# Altium PCB 11BRANMB10H2_20170927.pcbdoc (part 7 of 11)
Units mm, origin at the board's own origin, x right, y up, seen from the top; angles counter-clockwise.
Board outline 91.65 x 48.25 mm, 6 copper layers (TOP, GND1, Singal, POWER, GND2, BOTTOM), stack 0.8 mm thick; 370 components, 289 nets, 1421 pads, 980 vias.
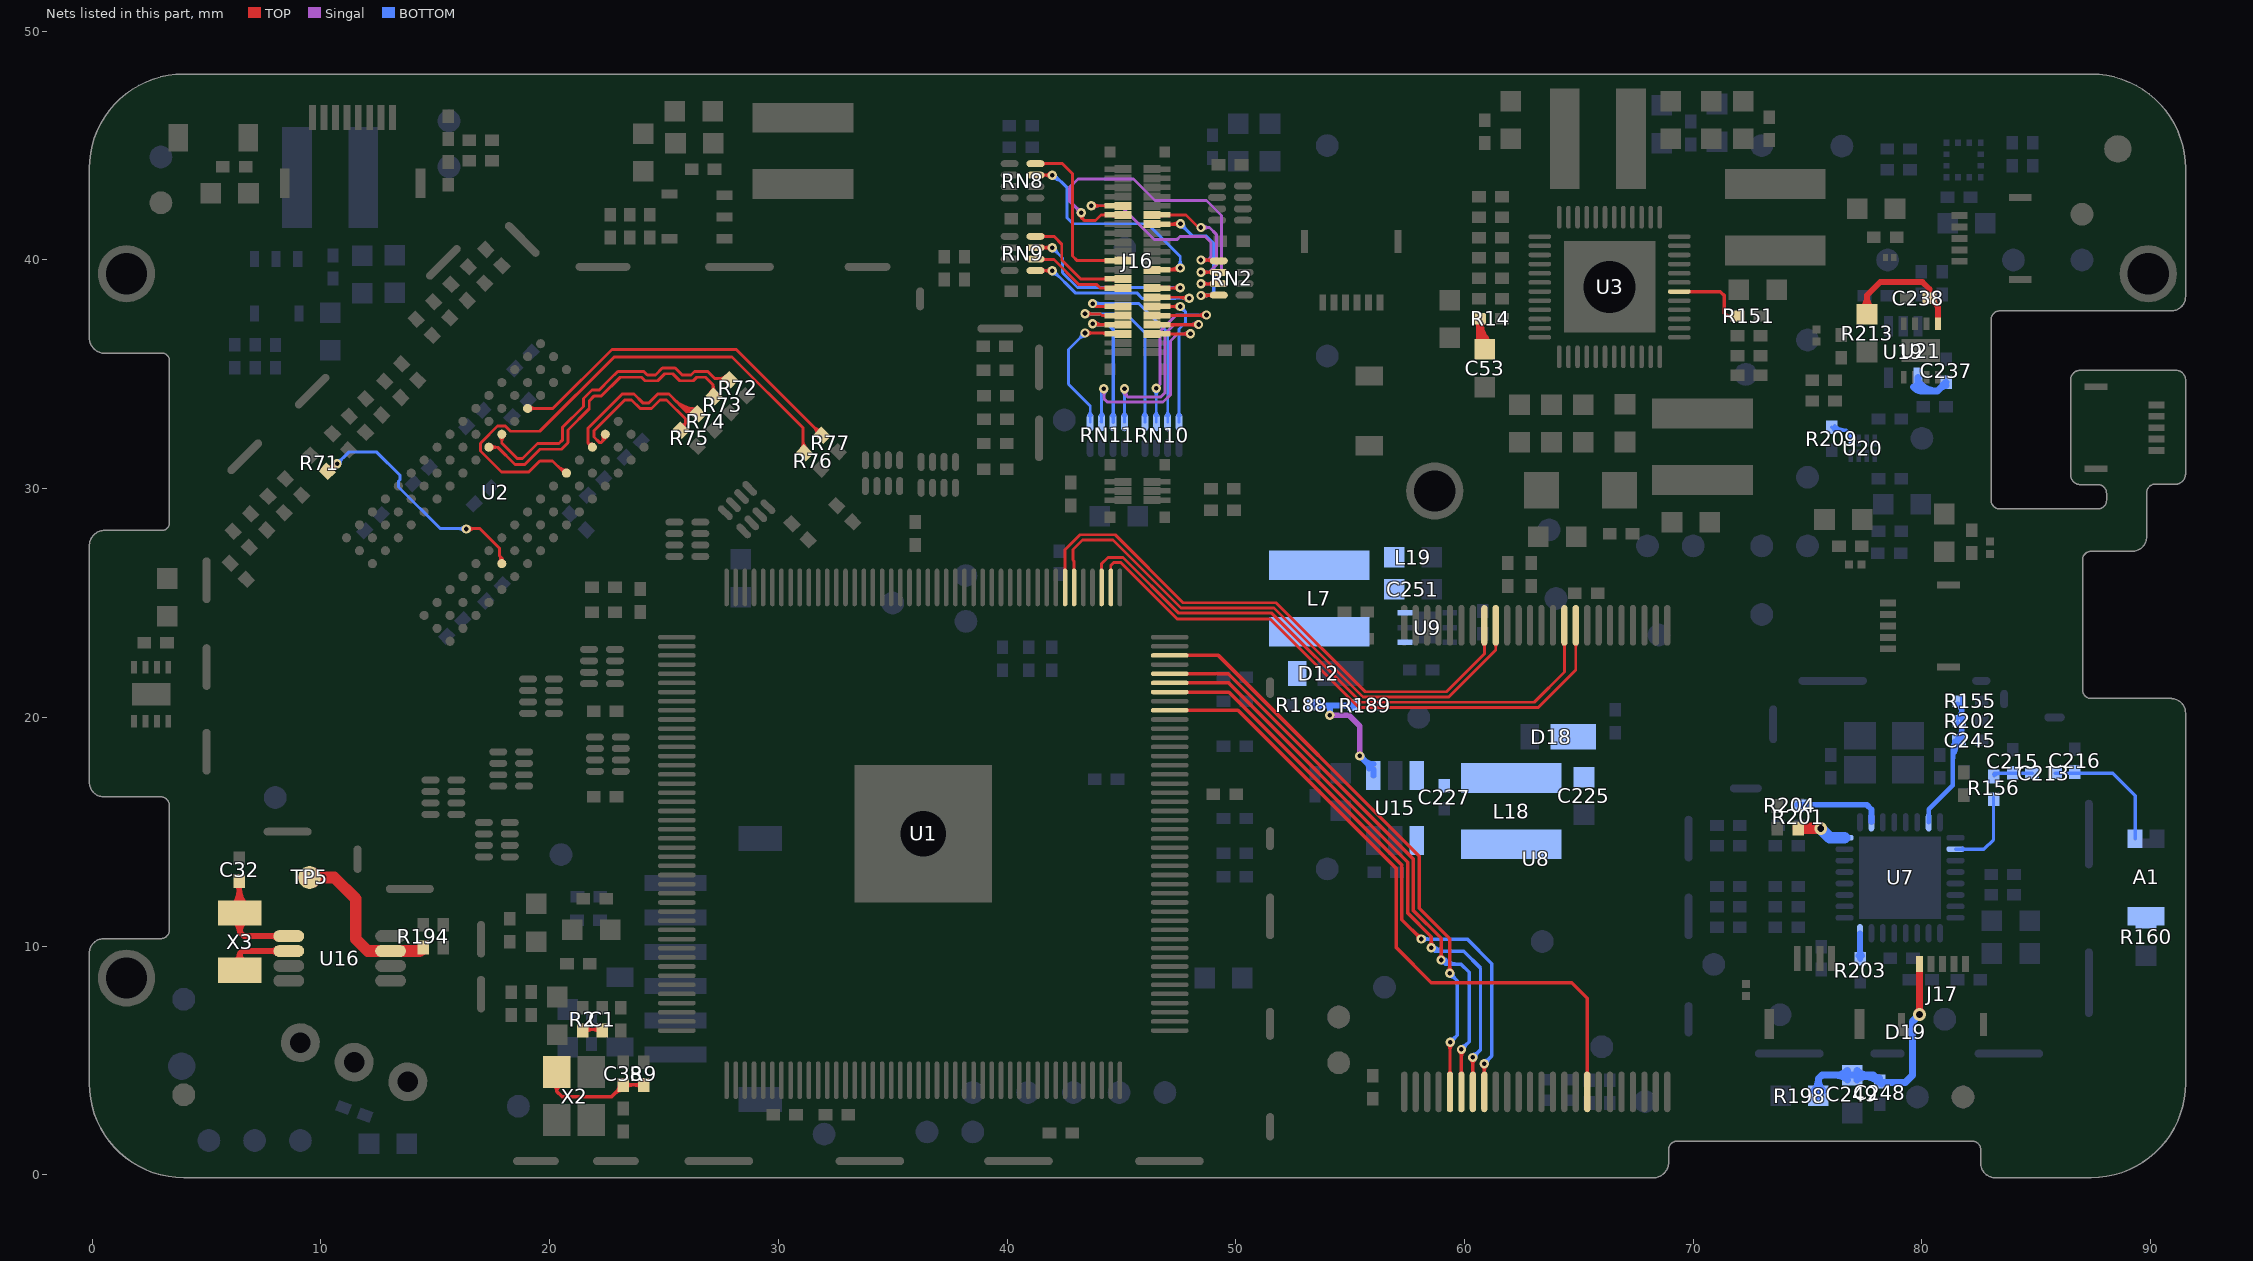
[diagram p11: the nets of this part, all layers, seen from the top]

## Via types
v1: diameter 0.406, hole 0.203, TOP to BOTTOM, tented both sides, 450 vias
v2: diameter 0.457, hole 0.254, TOP to BOTTOM, tented both sides, 256 vias
v3: diameter 0.559, hole 0.305, TOP to BOTTOM, tented both sides, 184 vias
v4: diameter 0.762, hole 0.457, TOP to BOTTOM, tented both sides, 69 vias
v5: diameter 0.61, hole 0.33, TOP to BOTTOM, tented both sides, 11 vias
v6: diameter 0.5, hole 0.2, TOP to BOTTOM, 9 vias
v7: diameter 0.508, hole 0.254, TOP to BOTTOM, tented both sides, 1 vias

## Nets (pads, with @x,y where several pads share a name; then routed paths per layer and width w, separated by ;. In a path a pad name is that pad's centre, name@x,y a point inside that pad or via, vN(x,y) a via of type N, cw(c..) or ccw(c..) an arc to the next point about the centre after c; other vN are vias at no path point) (continued)
N16977238: J16.23 RN8.7 | length 17.3
  TOP w0.127: RN8.7@41.243,43.709 v1(41.977,43.709) v1@42.079,43.709 ; J16.23@46.335,39.57 J16.23@46.925,39.57 47.495,39.57 v1(47.574,39.649) ; J16.23@47.058,39.619 ccw(c47.133,39.749) 47.172,39.604 ; J16.23@47.079,39.542 cw(c47.185,39.481) 47.153,39.599 ; 41.64,43.709 ccw(c41.64,44.047) 41.878,43.808 cw(c41.64,44.047) 41.64,43.709 ; 41.64,43.709 cw(c41.64,43.372) 41.878,43.611 ccw(c41.64,43.372) 41.64,43.709 ; 41.699,43.709 ccw(c41.699,43.495) 41.547,43.646 cw(c41.699,43.495) 41.699,43.709 ; 41.699,43.709 cw(c41.699,43.924) 41.547,43.772 ccw(c41.699,43.924) 41.699,43.709 ; J16.23@46.684,39.57 ccw(c46.684,39.706) 46.78,39.61 cw(c46.684,39.706) J16.23@46.684,39.57 ; J16.23@46.684,39.57 cw(c46.684,39.434) 46.78,39.53 ccw(c46.684,39.434) J16.23@46.684,39.57 ; 47.166,39.57 ccw(c47.166,39.434) 47.07,39.53 cw(c47.166,39.434) 47.166,39.57 ; 47.166,39.57 cw(c47.166,39.706) 47.07,39.61 ccw(c47.166,39.706) 47.166,39.57 ; J16.23@47.046,39.57 ccw(c47.046,40.178) 47.475,39.748 cw(c47.046,40.178) J16.23@47.046,39.57 ; 47.352,39.57 ccw(c47.352,39.871) 47.565,39.658 cw(c47.352,39.871) 47.352,39.57
  BOTTOM w0.127: v1@41.989,43.714 ccw(c42.337,43.867) 42.239,43.5 ; v1@42.079,43.709 42.612,43.176 42.612,41.859 42.885,41.586 46.145,41.586 47.574,40.157 v1(47.574,39.649) ; 47.574,39.986 ccw(c47.911,39.986) 47.673,39.748 cw(c47.911,39.986) 47.574,39.986 ; 47.574,39.986 cw(c47.237,39.986) 47.475,39.748 ccw(c47.237,39.986) 47.574,39.986 ; v1@41.977,43.57 cw(c41.977,42.987) 42.389,43.399 ccw(c41.977,42.987) v1@41.977,43.57 ; v1@41.977,43.697 cw(c41.977,43.421) 42.172,43.616 ccw(c41.977,43.421) v1@41.977,43.697
N16977239: J16.22 RN8.8 | length 9.2
  TOP w0.127: RN8.8@41.243,44.209 42.43,44.209 42.866,43.773 42.866,40.171 43.067,39.97 J16.22@44.475,39.97 J16.22@45.065,39.97 ; 41.699,44.209 ccw(c41.699,43.995) 41.547,44.147 cw(c41.699,43.995) 41.699,44.209 ; 41.699,44.209 cw(c41.699,44.424) 41.547,44.272 ccw(c41.699,44.424) 41.699,44.209 ; 44.234,39.97 ccw(c44.234,40.106) 44.33,40.01 cw(c44.234,40.106) 44.234,39.97 ; 44.234,39.97 cw(c44.234,39.834) 44.33,39.93 ccw(c44.234,39.834) 44.234,39.97 ; J16.22@44.716,39.97 ccw(c44.716,39.834) 44.62,39.93 cw(c44.716,39.834) J16.22@44.716,39.97 ; J16.22@44.716,39.97 cw(c44.716,40.106) 44.62,40.01 ccw(c44.716,40.106) J16.22@44.716,39.97
N16977240: J16.29 RN9.5 | length 14.9
  TOP w0.127: RN9.5@41.243,39.534 v1(41.977,39.534) v1@42.012,39.534 ; J16.29@46.335,38.37 J16.29@46.925,38.37 v1@47.92,38.37 ; 41.64,39.534 ccw(c41.64,39.872) 41.878,39.633 cw(c41.64,39.872) 41.64,39.534 ; 41.64,39.534 cw(c41.64,39.197) 41.878,39.436 ccw(c41.64,39.197) 41.64,39.534 ; 41.699,39.534 ccw(c41.699,39.32) 41.547,39.471 cw(c41.699,39.32) 41.699,39.534 ; 41.699,39.534 cw(c41.699,39.749) 41.547,39.597 ccw(c41.699,39.749) 41.699,39.534 ; J16.29@46.684,38.37 ccw(c46.684,38.506) 46.78,38.41 cw(c46.684,38.506) J16.29@46.684,38.37 ; J16.29@46.684,38.37 cw(c46.684,38.234) 46.78,38.33 ccw(c46.684,38.234) J16.29@46.684,38.37 ; 47.166,38.37 ccw(c47.166,38.234) 47.07,38.33 cw(c47.166,38.234) 47.166,38.37 ; 47.166,38.37 cw(c47.166,38.506) 47.07,38.41 ccw(c47.166,38.506) 47.166,38.37 ; 47.515,38.37 cw(c47.515,37.869) 47.869,38.223 ccw(c47.515,37.869) 47.515,38.37 ; 47.746,38.37 ccw(c47.746,38.543) 47.869,38.421 cw(c47.746,38.543) 47.746,38.37
  BOTTOM w0.127: v1@41.989,39.538 ccw(c42.272,39.62) 42.196,39.336 ; v1@42.018,39.534 42.012,39.534 42.983,38.563 45.669,38.563 45.91,38.322 47.371,38.322 47.383,38.335 47.955,38.335 v1(47.968,38.322) ; v1@41.977,39.395 cw(c41.977,38.974) 42.275,39.271 ccw(c41.977,38.974) v1@41.977,39.395 ; v1@42.117,39.534 ccw(c42.37,39.534) 42.191,39.355 cw(c42.37,39.534) v1@42.117,39.534 ; 47.6,38.335 cw(c47.6,37.954) 47.869,38.223 ccw(c47.6,37.954) 47.6,38.335 ; 47.661,38.335 ccw(c47.661,38.629) 47.869,38.421 cw(c47.661,38.629) 47.661,38.335
N16977241: J16.28 RN9.6 | length 5.9
  TOP w0.127: RN9.6@41.243,40.034 41.259,40.019 42.049,40.019 43.148,38.919 43.924,38.919 44.073,38.77 J16.28@44.475,38.77 J16.28@45.065,38.77 ; 44.234,38.77 ccw(c44.234,38.906) 44.33,38.81 cw(c44.234,38.906) 44.234,38.77 ; 44.234,38.77 cw(c44.234,38.634) 44.33,38.73 ccw(c44.234,38.634) 44.234,38.77 ; J16.28@44.716,38.77 ccw(c44.716,38.634) 44.62,38.73 cw(c44.716,38.634) J16.28@44.716,38.77 ; J16.28@44.716,38.77 cw(c44.716,38.906) 44.62,38.81 ccw(c44.716,38.906) J16.28@44.716,38.77 ; RN9.6@41.547,39.972 cw(c41.66,39.858) 41.66,40.019 ccw(c41.66,39.858) RN9.6@41.547,39.972 ; RN9.6@41.547,40.097 ccw(c41.737,40.288) 41.737,40.019 cw(c41.737,40.288) RN9.6@41.547,40.097
N16977242: J16.27 RN9.7 | length 14.7
  TOP w0.127: RN9.7@41.243,40.534 41.977,40.534 v1@42.02,40.534 ; RN9.7@41.538,40.605 ccw(c41.681,40.792) 41.742,40.564 ; J16.27@46.335,38.77 J16.27@46.925,38.77 v1@47.559,38.77 ; 41.699,40.534 ccw(c41.699,40.32) 41.547,40.471 cw(c41.699,40.32) 41.699,40.534 ; 41.699,40.534 cw(c41.699,40.749) 41.547,40.597 ccw(c41.699,40.749) 41.699,40.534 ; J16.27@46.684,38.77 ccw(c46.684,38.906) 46.78,38.81 cw(c46.684,38.906) J16.27@46.684,38.77 ; J16.27@46.684,38.77 cw(c46.684,38.634) 46.78,38.73 ccw(c46.684,38.634) J16.27@46.684,38.77 ; 47.166,38.77 ccw(c47.166,38.634) 47.07,38.73 cw(c47.166,38.634) 47.166,38.77 ; 47.166,38.77 cw(c47.166,38.906) 47.07,38.81 ccw(c47.166,38.906) 47.166,38.77 ; RN9.7@41.63,40.534 ccw(c41.63,40.885) 41.878,40.637 cw(c41.63,40.885) RN9.7@41.63,40.534 ; 41.65,40.534 cw(c41.65,40.211) 41.878,40.44 ccw(c41.65,40.211) 41.65,40.534 ; 47.199,38.77 ccw(c47.199,39.161) 47.475,38.884 cw(c47.199,39.161) 47.199,38.77 ; 47.275,38.77 cw(c47.275,38.486) 47.475,38.687 ccw(c47.275,38.486) 47.275,38.77
  BOTTOM w0.127: v1(41.977,40.538) 42.43,40.085 42.43,39.445 43.084,38.792 47.568,38.792 v1(47.574,38.786) ; 42.216,40.3 ccw(c41.977,40.061) 41.977,40.399 cw(c41.977,40.061) 42.216,40.3 ; 42.216,40.3 cw(c42.454,40.538) 42.117,40.538 ccw(c42.454,40.538) 42.216,40.3 ; 47.222,38.792 cw(c47.222,38.433) 47.475,38.687 ccw(c47.222,38.433) 47.222,38.792 ; 47.252,38.792 ccw(c47.252,39.108) 47.475,38.884 cw(c47.252,39.108) 47.252,38.792
N16977243: J16.26 RN9.8 | length 6.5
  TOP w0.127: RN9.8@41.243,41.034 42.049,41.034 42.392,40.691 42.392,39.998 43.22,39.17 J16.26@44.475,39.17 J16.26@45.065,39.17 ; 41.699,41.034 ccw(c41.699,40.82) 41.547,40.972 cw(c41.699,40.82) 41.699,41.034 ; 41.699,41.034 cw(c41.699,41.249) 41.547,41.097 ccw(c41.699,41.249) 41.699,41.034 ; 44.234,39.17 ccw(c44.234,39.306) 44.33,39.21 cw(c44.234,39.306) 44.234,39.17 ; 44.234,39.17 cw(c44.234,39.034) 44.33,39.13 ccw(c44.234,39.034) 44.234,39.17 ; J16.26@44.716,39.17 ccw(c44.716,39.034) 44.62,39.13 cw(c44.716,39.034) J16.26@44.716,39.17 ; J16.26@44.716,39.17 cw(c44.716,39.306) 44.62,39.21 ccw(c44.716,39.306) J16.26@44.716,39.17
N16977551: J16.34 RN10.5 | length 12.2
  TOP w0.127: v1(43.409,37.643) 44.073,37.643 44.145,37.57 J16.34@44.475,37.57 J16.34@45.065,37.57 ; 43.746,37.643 ccw(c43.746,37.305) 43.507,37.544 cw(c43.746,37.305) 43.746,37.643 ; 43.746,37.643 cw(c43.746,37.98) 43.507,37.741 ccw(c43.746,37.98) 43.746,37.643 ; 44.234,37.57 ccw(c44.234,37.706) 44.33,37.61 cw(c44.234,37.706) 44.234,37.57 ; 44.234,37.57 cw(c44.234,37.434) 44.33,37.53 ccw(c44.234,37.434) 44.234,37.57 ; J16.34@44.716,37.57 ccw(c44.716,37.434) 44.62,37.53 cw(c44.716,37.434) J16.34@44.716,37.57 ; J16.34@44.716,37.57 cw(c44.716,37.706) 44.62,37.61 ccw(c44.716,37.706) J16.34@44.716,37.57
  BOTTOM w0.127: v1(43.409,37.643) 45.211,37.643 46.024,36.83 RN10.5@46.024,32.904 ; 43.746,37.643 ccw(c43.746,37.305) 43.507,37.544 cw(c43.746,37.305) 43.746,37.643 ; 43.746,37.643 cw(c43.746,37.98) 43.507,37.741 ccw(c43.746,37.98) 43.746,37.643 ; 46.024,33.36 ccw(c46.239,33.36) 46.087,33.208 cw(c46.239,33.36) 46.024,33.36 ; 46.024,33.36 cw(c45.809,33.36) 45.961,33.208 ccw(c45.809,33.36) 46.024,33.36
N16977552: J16.33 RN10.6 | length 13.4
  TOP w0.127: J16.33@46.335,37.57 J16.33@46.925,37.57 v1@48.695,37.57 ; J16.33@46.684,37.57 ccw(c46.684,37.706) 46.78,37.61 cw(c46.684,37.706) J16.33@46.684,37.57 ; J16.33@46.684,37.57 cw(c46.684,37.434) 46.78,37.53 ccw(c46.684,37.434) J16.33@46.684,37.57 ; 47.166,37.57 ccw(c47.166,37.434) 47.07,37.53 cw(c47.166,37.434) 47.166,37.57 ; 47.166,37.57 cw(c47.166,37.706) 47.07,37.61 ccw(c47.166,37.706) 47.166,37.57 ; 48.327,37.57 ccw(c48.327,37.982) 48.618,37.691 cw(c48.327,37.982) 48.327,37.57 ; 48.433,37.57 cw(c48.433,37.307) 48.618,37.493 ccw(c48.433,37.307) 48.433,37.57
  Singal w0.127: v1(46.52,34.385) 46.685,34.55 46.685,36.881 47.396,37.592 v1(48.717,37.592) ; 48.38,37.592 ccw(c48.38,37.929) 48.618,37.691 cw(c48.38,37.929) 48.38,37.592 ; 48.38,37.592 cw(c48.38,37.255) 48.618,37.493 ccw(c48.38,37.255) 48.38,37.592
  BOTTOM w0.127: v1(46.52,34.385) 46.524,34.381 RN10.6@46.524,32.904 ; 46.524,33.36 ccw(c46.739,33.36) 46.587,33.208 cw(c46.739,33.36) 46.524,33.36 ; 46.524,33.36 cw(c46.309,33.36) 46.461,33.208 ccw(c46.309,33.36) 46.524,33.36 ; v1@46.421,34.286 cw(c46.173,34.038) 46.524,34.038 ccw(c46.173,34.038) v1@46.421,34.286 ; 46.524,34.058 cw(c46.847,34.058) 46.619,34.286 ccw(c46.847,34.058) 46.524,34.058
N16977553: J16.32 RN10.7 | length 11.7
  TOP w0.127: v1(43.739,38.093) 43.862,37.97 J16.32@44.475,37.97 J16.32@45.065,37.97 ; 44.234,37.97 ccw(c44.234,38.106) 44.33,38.01 cw(c44.234,38.106) 44.234,37.97 ; 44.234,37.97 cw(c44.234,37.834) 44.33,37.93 ccw(c44.234,37.834) 44.234,37.97 ; J16.32@44.716,37.97 ccw(c44.716,37.834) 44.62,37.93 cw(c44.716,37.834) J16.32@44.716,37.97 ; J16.32@44.716,37.97 cw(c44.716,38.106) 44.62,38.01 ccw(c44.716,38.106) J16.32@44.716,37.97
  BOTTOM w0.127: v1(43.739,38.093) 45.758,38.093 47.024,36.827 RN10.7@47.024,32.904 ; 44.076,38.093 ccw(c44.076,37.756) 43.838,37.995 cw(c44.076,37.756) 44.076,38.093 ; 44.076,38.093 cw(c44.076,38.431) 43.838,38.192 ccw(c44.076,38.431) 44.076,38.093 ; 47.024,33.36 ccw(c47.239,33.36) 47.087,33.208 cw(c47.239,33.36) 47.024,33.36 ; 47.024,33.36 cw(c46.809,33.36) 46.961,33.208 ccw(c46.809,33.36) 47.024,33.36
N16977554: J16.31 RN10.8 | length 12.2
  TOP w0.127: J16.31@46.335,37.97 46.339,37.966 46.925,37.966 v1@47.536,37.966 ; J16.31@46.925,37.97 v1@47.532,37.97 ; J16.31@47.07,37.93 cw(c47.158,37.842) 47.158,37.966 ccw(c47.158,37.842) J16.31@47.07,37.93 ; J16.31@47.07,37.93 cw(c47.166,37.834) 47.166,37.97 ; J16.31@47.07,37.93 cw(c47.166,37.834) 47.166,37.97 ; J16.31@47.07,38.01 ccw(c47.175,38.115) 47.175,37.966 cw(c47.175,38.115) J16.31@47.07,38.01 ; J16.31@47.07,38.01 ccw(c47.166,38.106) 47.166,37.97 ; J16.31@47.07,38.01 ccw(c47.166,38.106) 47.166,37.97 ; 47.237,37.966 ccw(c47.237,38.304) v1@47.475,38.065 ; 47.237,37.966 cw(c47.237,37.629) v1@47.475,37.868 ; 47.237,37.966 ccw(c47.237,38.304) v1@47.475,38.065 ; 47.237,37.966 cw(c47.237,37.629) v1@47.475,37.868 ; v1@47.475,37.868 ccw(c47.228,37.62) 47.228,37.97 cw(c47.228,37.62) v1@47.475,37.868 ; v1@47.475,38.065 cw(c47.246,38.295) 47.246,37.97 ccw(c47.246,38.295) v1@47.475,38.065 ; J16.31@46.675,37.966 ccw(c46.675,38.115) 46.78,38.01 cw(c46.675,38.115) J16.31@46.675,37.966 ; J16.31@46.692,37.966 cw(c46.692,37.842) 46.78,37.93 ccw(c46.692,37.842) J16.31@46.692,37.966
  BOTTOM w0.127: RN10.8@47.524,32.904 47.524,36.983 47.803,37.262 47.803,37.738 ; v1(47.574,37.966) 47.803,37.738 ; 47.524,33.36 ccw(c47.739,33.36) 47.587,33.208 cw(c47.739,33.36) 47.524,33.36 ; 47.524,33.36 cw(c47.309,33.36) 47.461,33.208 ccw(c47.309,33.36) 47.524,33.36 ; 47.803,37.738 ccw(c47.588,37.523) 47.578,37.827 cw(c47.588,37.523) 47.803,37.738 ; 47.803,37.738 cw(c48.018,37.953) 47.714,37.962 ccw(c48.018,37.953) 47.803,37.738
N16977555: J16.38 RN11.5 | length 10.9
  TOP w0.127: v1(43.409,36.804) 44.475,36.804 45.031,36.804 J16.38@45.065,36.77 J16.38@44.475,36.77 ; 43.746,36.804 ccw(c43.746,36.467) 43.507,36.706 cw(c43.746,36.467) 43.746,36.804 ; 43.746,36.804 cw(c43.746,37.142) 43.507,36.903 ccw(c43.746,37.142) 43.746,36.804 ; J16.38@44.62,36.73 cw(c44.799,36.551) 44.799,36.804 ccw(c44.799,36.551) J16.38@44.62,36.73 ; J16.38@44.62,36.73 cw(c44.716,36.634) J16.38@44.716,36.77 ; J16.38@44.62,36.73 cw(c44.716,36.634) J16.38@44.716,36.77 ; J16.38@44.716,36.77 cw(c44.716,36.906) 44.62,36.81 ccw(c44.716,36.906) J16.38@44.716,36.77 ; 44.151,36.804 cw(c44.151,36.551) 44.33,36.73 ccw(c44.151,36.551) 44.151,36.804
  BOTTOM w0.127: v1(43.409,36.804) 42.684,36.08 42.684,34.569 43.636,33.617 RN11.5@43.636,32.904 ; 43.17,36.566 ccw(c42.932,36.804) 43.269,36.804 cw(c42.932,36.804) 43.17,36.566 ; 43.17,36.566 cw(c43.409,36.327) 43.409,36.665 ccw(c43.409,36.327) 43.17,36.566 ; 43.636,33.36 ccw(c43.851,33.36) 43.699,33.208 cw(c43.851,33.36) 43.636,33.36 ; 43.636,33.36 cw(c43.422,33.36) 43.573,33.208 ccw(c43.422,33.36) 43.636,33.36
N16977556: J16.37 RN11.6 | length 16.9
  TOP w0.127: J16.37@46.335,36.77 J16.37@46.925,36.77 v1(48.021,36.77) ; J16.37@46.684,36.77 ccw(c46.684,36.906) 46.78,36.81 cw(c46.684,36.906) J16.37@46.684,36.77 ; J16.37@46.684,36.77 cw(c46.684,36.634) 46.78,36.73 ccw(c46.684,36.634) J16.37@46.684,36.77 ; 47.166,36.77 ccw(c47.166,36.634) 47.07,36.73 cw(c47.166,36.634) 47.166,36.77 ; 47.166,36.77 cw(c47.166,36.906) 47.07,36.81 ccw(c47.166,36.906) 47.166,36.77 ; 47.684,36.77 ccw(c47.684,37.107) 47.922,36.869 cw(c47.684,37.107) 47.684,36.77 ; 47.684,36.77 cw(c47.684,36.433) 47.922,36.671 ccw(c47.684,36.433) 47.684,36.77
  Singal w0.127: v1(44.234,34.372) 44.234,33.934 44.38,33.788 46.824,33.788 47.142,34.107 47.142,36.455 47.457,36.77 v1(48.021,36.77) ; 44.234,34.034 ccw(c43.896,34.034) 44.135,34.273 cw(c43.896,34.034) 44.234,34.034 ; 44.234,34.034 cw(c44.571,34.034) 44.332,34.273 ccw(c44.571,34.034) 44.234,34.034 ; 47.684,36.77 ccw(c47.684,37.107) 47.922,36.869 cw(c47.684,37.107) 47.684,36.77 ; 47.684,36.77 cw(c47.684,36.433) 47.922,36.671 ccw(c47.684,36.433) 47.684,36.77
  BOTTOM w0.127: RN11.6@44.107,32.934 RN11.6@44.136,32.904 44.136,34.274 v1(44.234,34.372) ; v1@44.152,34.258 cw(c44.054,34.124) 44.198,34.04 ; v1@44.226,34.361 cw(c44.137,34.238) 44.269,34.162 ; 44.136,33.36 ccw(c44.351,33.36) 44.199,33.208 cw(c44.351,33.36) 44.136,33.36 ; 44.136,33.36 cw(c43.922,33.36) 44.074,33.208 ccw(c43.922,33.36) 44.136,33.36 ; 44.136,33.8 cw(c44.805,33.8) 44.332,34.273 ccw(c44.805,33.8) 44.136,33.8 ; 44.136,34.106 cw(c44.499,34.106) 44.243,34.363 ccw(c44.499,34.106) 44.136,34.106
N16977557: J16.36 RN11.7 | length 8.5
  TOP w0.152: v1@43.827,37.16 43.837,37.17 J16.36@44.475,37.17 J16.36@45.065,37.17 ; v1@43.829,37.121 cw(c43.947,37.003) 43.947,37.17 ccw(c43.947,37.003) v1@43.829,37.121 ; v1@43.829,37.301 ccw(c44.144,37.616) 44.144,37.17 cw(c44.144,37.616) v1@43.829,37.301
  BOTTOM w0.152: v1@43.827,37.16 44.437,37.16 44.636,36.961 RN11.7@44.636,32.904 ; 44.636,33.329 ccw(c44.82,33.329) 44.69,33.199 cw(c44.82,33.329) 44.636,33.329 ; 44.636,33.329 cw(c44.452,33.329) 44.582,33.199 ccw(c44.452,33.329) 44.636,33.329 ; v1@43.829,37.301 ccw(c44.168,37.64) 44.168,37.16 cw(c44.168,37.64) v1@43.829,37.301
  other v1: 43.739,37.211
N16977558: J16.35 RN11.8 | length 15.2
  TOP w0.152: J16.35@46.335,37.17 J16.35@46.925,37.17 48.365,37.17 v1(48.374,37.179) ; 48.046,37.17 ccw(c48.046,37.507) 48.284,37.269 cw(c48.046,37.507) 48.046,37.17 ; 48.089,37.17 cw(c48.089,36.894) 48.284,37.089 ccw(c48.089,36.894) 48.089,37.17
  Singal w0.127: v1(45.136,34.372) 45.136,34.149 ; v1(48.374,37.179) 47.307,37.179 46.914,36.785 46.914,34.202 46.729,34.017 45.269,34.017 ; 45.136,34.149 ccw(c45.029,34.149) 45.076,34.246 cw(c45.029,34.149) 45.136,34.149 ; 45.136,34.149 cw(c45.244,34.149) 45.197,34.246 ccw(c45.244,34.149) 45.136,34.149 ; 45.136,34.149 45.269,34.017 ; 45.269,34.017 cw(c45.416,34.164) 45.249,34.288 ccw(c45.416,34.164) 45.269,34.017 ; 48.037,37.179 ccw(c48.037,37.516) 48.275,37.278 cw(c48.037,37.516) 48.037,37.179 ; 48.037,37.179 cw(c48.037,36.842) 48.275,37.08 ccw(c48.037,36.842) 48.037,37.179 ; v1@45.147,34.364 ccw(c45.297,34.253) 45.165,34.121 cw(c45.297,34.253) v1@45.147,34.364
  BOTTOM w0.127: RN11.8@45.136,32.904 v1(45.136,34.372) ; 45.136,33.36 ccw(c45.351,33.36) 45.199,33.208 cw(c45.351,33.36) 45.136,33.36 ; 45.136,33.36 cw(c44.922,33.36) 45.074,33.208 ccw(c44.922,33.36) 45.136,33.36 ; 45.136,34.034 ccw(c44.799,34.034) 45.038,34.273 cw(c44.799,34.034) 45.136,34.034 ; 45.136,34.034 cw(c45.474,34.034) 45.235,34.273 ccw(c45.474,34.034) 45.136,34.034
N16978242: J16.10 RN2.5 | length 14.9
  TOP w0.127: v1(43.675,42.367) 43.669,42.367 43.666,42.37 43.675,42.37 J16.10@44.475,42.37 J16.10@45.065,42.37 ; v1(48.476,39.998) 49.22,39.998 RN2.5@49.257,39.961 ; 44.234,42.37 ccw(c44.234,42.506) 44.33,42.41 cw(c44.234,42.506) 44.234,42.37 ; 44.234,42.37 cw(c44.234,42.234) 44.33,42.33 ccw(c44.234,42.234) 44.234,42.37 ; J16.10@44.716,42.37 ccw(c44.716,42.234) 44.62,42.33 cw(c44.716,42.234) J16.10@44.716,42.37 ; J16.10@44.716,42.37 cw(c44.716,42.506) 44.62,42.41 ccw(c44.716,42.506) J16.10@44.716,42.37 ; 48.813,39.998 ccw(c48.813,39.661) 48.575,39.9 cw(c48.813,39.661) 48.813,39.998 ; 48.813,39.998 cw(c48.813,40.336) 48.575,40.097 ccw(c48.813,40.336) 48.813,39.998 ; v1@43.774,42.268 cw(c44.019,42.023) 44.019,42.37 ccw(c44.019,42.023) v1@43.774,42.268 ; v1@43.774,42.466 ccw(c44.005,42.698) 44.005,42.37 cw(c44.005,42.698) v1@43.774,42.466 ; 48.711,39.998 cw(c48.711,39.656) 48.953,39.898 ccw(c48.711,39.656) 48.711,39.998
  Singal w0.127: v1(43.675,42.367) 43.669,42.367 43.666,42.37 43.675,42.37 44.961,42.37 46.444,40.887 47.422,40.887 47.561,41.027 48.66,41.027 48.92,40.767 48.92,40.138 48.781,39.998 ; v1(48.476,39.998) 48.781,39.998 ; 48.781,39.998 ccw(c48.781,39.736) 48.582,39.907 cw(c48.781,39.736) 48.781,39.998 ; 48.781,39.998 cw(c48.781,40.261) 48.582,40.09 ccw(c48.781,40.261) 48.781,39.998 ; v1@43.774,42.268 cw(c44.019,42.023) 44.019,42.37 ccw(c44.019,42.023) v1@43.774,42.268 ; v1@43.774,42.466 ccw(c44.005,42.698) 44.005,42.37 cw(c44.005,42.698) v1@43.774,42.466
N16978245: J16.11 RN2.6 | length 10.8
  TOP w0.127: J16.11@46.335,41.97 J16.11@46.925,41.97 47.819,41.97 48.368,41.421 v1(48.476,41.421) ; v1(48.476,39.465) 49.253,39.465 RN2.6@49.257,39.461 ; J16.11@46.684,41.97 ccw(c46.684,42.106) 46.78,42.01 cw(c46.684,42.106) J16.11@46.684,41.97 ; J16.11@46.684,41.97 cw(c46.684,41.834) 46.78,41.93 ccw(c46.684,41.834) J16.11@46.684,41.97 ; 47.166,41.97 ccw(c47.166,41.834) 47.07,41.93 cw(c47.166,41.834) 47.166,41.97 ; 47.166,41.97 cw(c47.166,42.106) 47.07,42.01 ccw(c47.166,42.106) 47.166,41.97 ; 48.813,39.465 ccw(c48.813,39.128) 48.575,39.366 cw(c48.813,39.128) 48.813,39.465 ; 48.813,39.465 cw(c48.813,39.802) 48.575,39.564 ccw(c48.813,39.802) 48.813,39.465 ; 48.791,39.465 cw(c48.791,39.237) 48.953,39.398 ccw(c48.791,39.237) 48.791,39.465 ; 48.811,39.465 ccw(c48.811,39.666) 48.953,39.524 cw(c48.811,39.666) 48.811,39.465
  Singal w0.127: v1(48.476,39.465) 48.831,39.465 49.149,39.783 49.149,41.122 48.85,41.421 v1(48.476,41.421) ; 48.813,39.465 ccw(c48.813,39.128) 48.575,39.366 cw(c48.813,39.128) 48.813,39.465 ; 48.813,39.465 cw(c48.813,39.802) 48.575,39.564 ccw(c48.813,39.802) 48.813,39.465 ; 48.813,41.421 ccw(c48.813,41.084) 48.575,41.322 cw(c48.813,41.084) 48.813,41.421 ; 48.813,41.421 cw(c48.813,41.758) 48.575,41.52 ccw(c48.813,41.758) 48.813,41.421
N16978418: J16.12 RN2.7 | length 21.6
  TOP w0.127: v1(43.247,42.062) 43.247,41.843 ; J16.12@45.065,41.97 J16.12@44.475,41.97 44.104,41.97 43.866,41.732 43.358,41.732 ; v1(48.476,38.957) 49.253,38.957 RN2.7@49.257,38.961 ; 43.247,41.843 ccw(c43.144,41.843) 43.188,41.936 cw(c43.144,41.843) 43.247,41.843 ; 43.247,41.843 cw(c43.35,41.843) 43.306,41.936 ccw(c43.35,41.843) 43.247,41.843 ; 43.247,41.843 43.358,41.732 ; 43.358,41.732 cw(c43.48,41.854) 43.351,41.969 ccw(c43.48,41.854) 43.358,41.732 ; 44.234,41.97 ccw(c44.234,42.106) 44.33,42.01 cw(c44.234,42.106) 44.234,41.97 ; 44.234,41.97 cw(c44.234,41.834) 44.33,41.93 ccw(c44.234,41.834) 44.234,41.97 ; J16.12@44.716,41.97 ccw(c44.716,41.834) 44.62,41.93 cw(c44.716,41.834) J16.12@44.716,41.97 ; J16.12@44.716,41.97 cw(c44.716,42.106) 44.62,42.01 ccw(c44.716,42.106) J16.12@44.716,41.97 ; 48.813,38.957 ccw(c48.813,38.62) 48.575,38.858 cw(c48.813,38.62) 48.813,38.957 ; 48.813,38.957 cw(c48.813,39.294) 48.575,39.056 ccw(c48.813,39.294) 48.813,38.957 ; v1@43.257,42.054 ccw(c43.38,41.944) 43.263,41.827 cw(c43.38,41.944) v1@43.257,42.054 ; 48.791,38.957 ccw(c48.791,39.185) 48.953,39.024 cw(c48.791,39.185) 48.791,38.957 ; 48.811,38.957 cw(c48.811,38.756) 48.953,38.898 ccw(c48.811,38.756) 48.811,38.957